# KiCad board MTMatrixV3.kicad_pcb
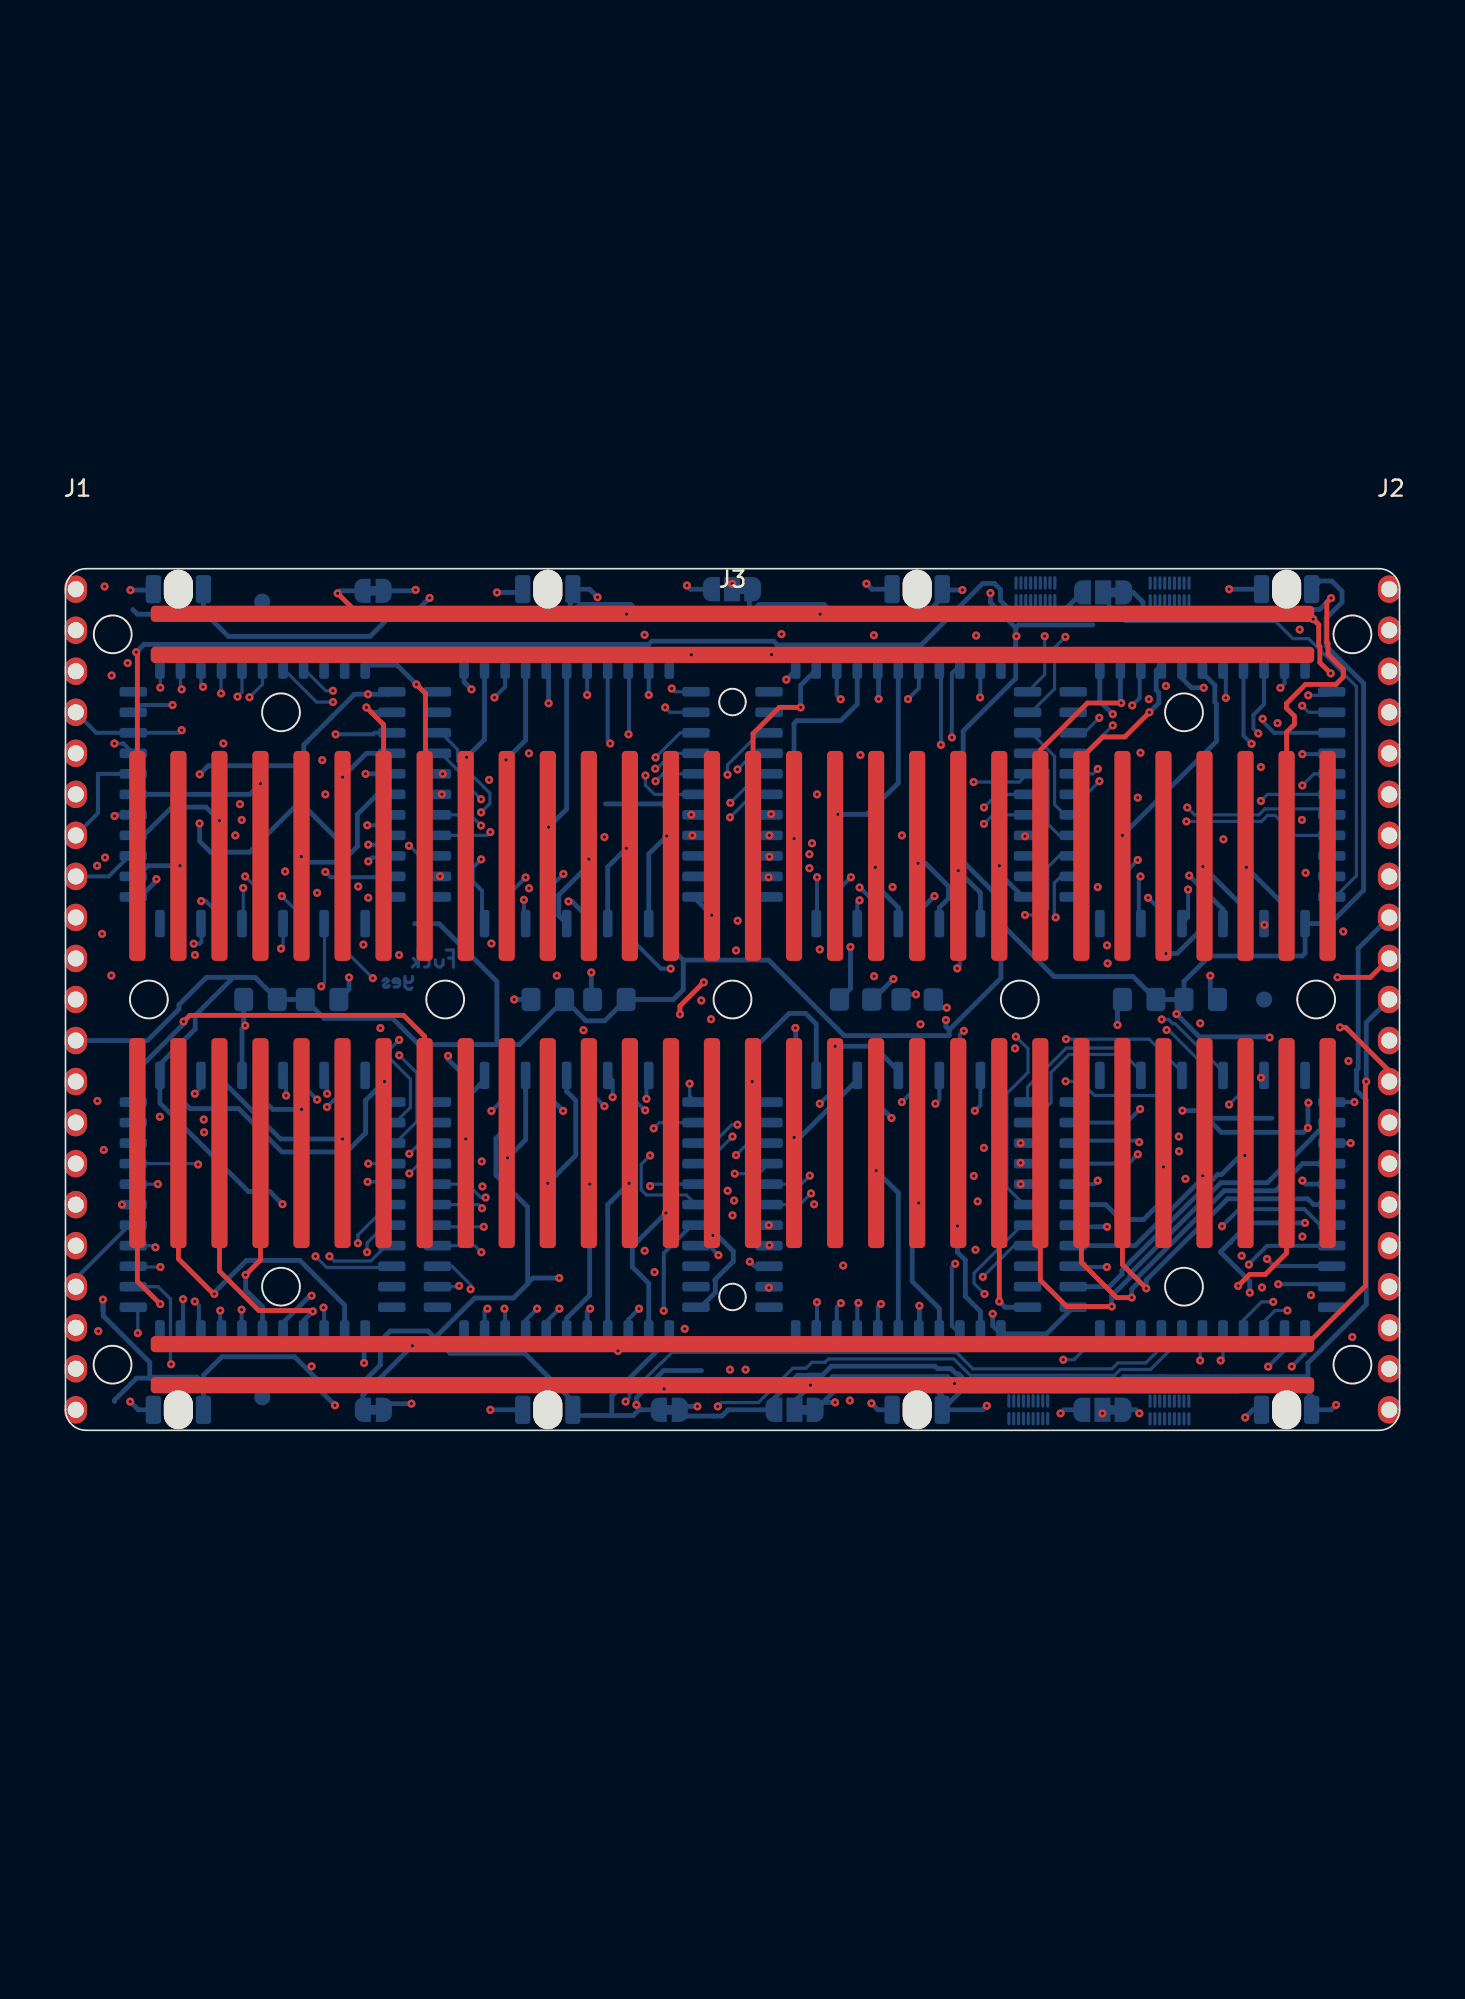
[diagram p0: board, top side]
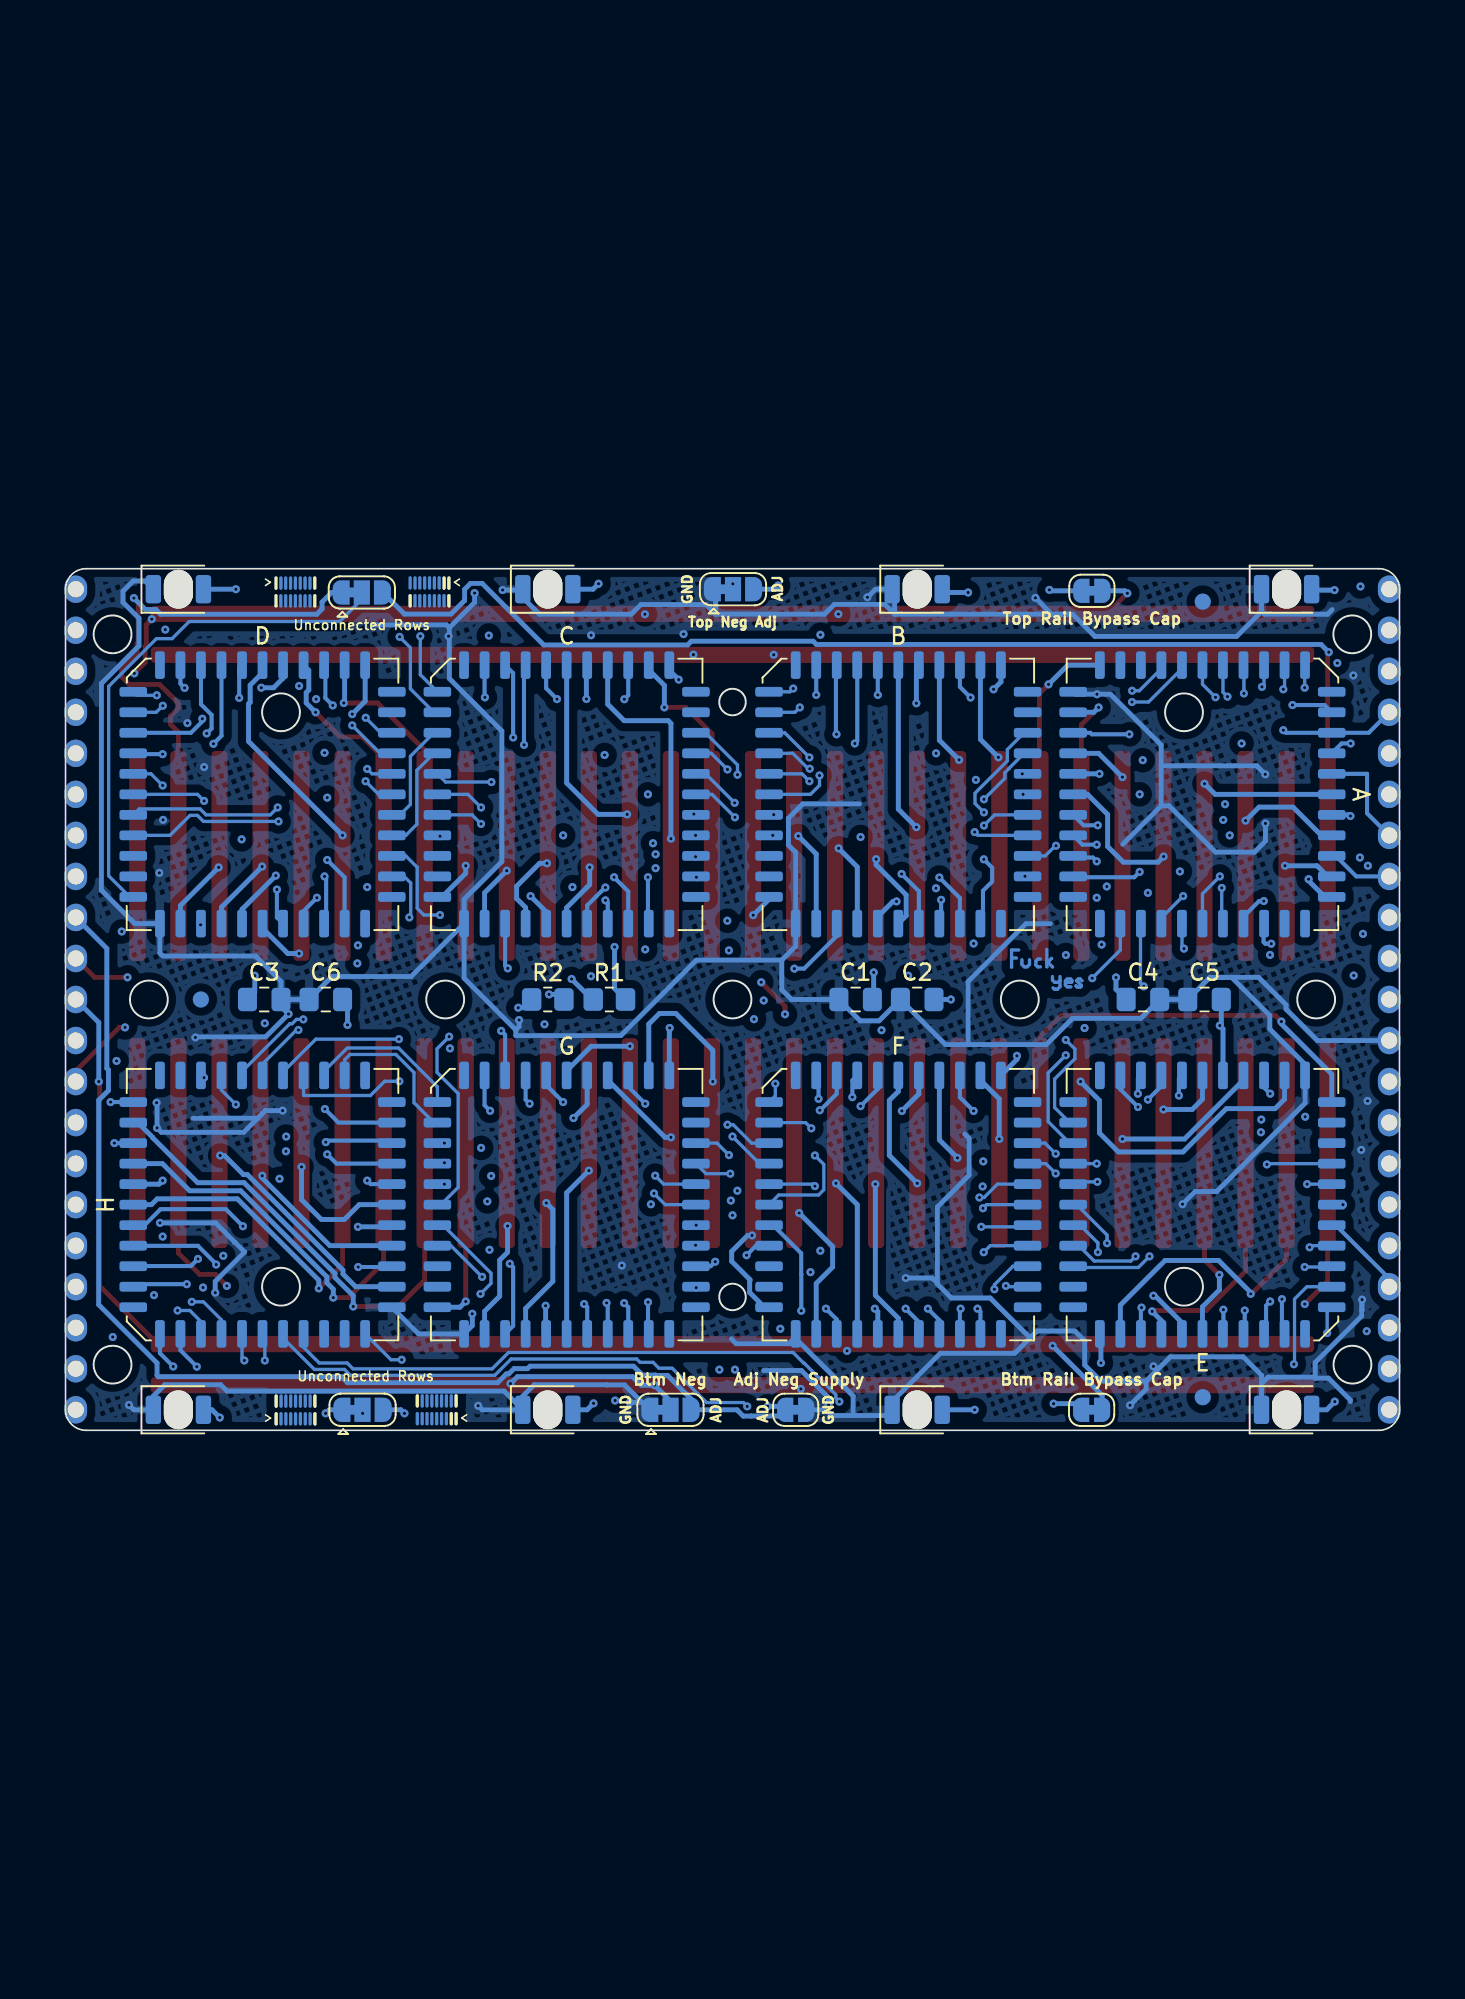
[diagram p1: board, bottom side, seen from below]

Outline 82.55 x 53.34 mm; copper layers: Top (plane), In1.Cu, In2.Cu, Bottom. Coordinates in mm from the lower left corner of the outline.
Outline path: 0,52.07 0,1.27 arc(0.37,0.37) 1.27,0 81.28,0 arc(82.18,0.37) 82.55,1.27 82.55,52.07 arc(82.18,52.97) 81.28,53.34 1.27,53.34 arc(0.37,52.97) 0,52.07
Stack: Top 0.035mm / dielectric 1.51mm FR4 er 4.5 / In1.Cu 0.035mm / dielectric 1.51mm FR4 er 4.5 / In2.Cu 0.035mm / dielectric 1.51mm FR4 er 4.5 / Bottom 0.035mm

## Placement (name value [footprint] x y rotation side)
A  MT8816AP  [PLCC-44_16.6x16.6mm_P1.27mm]  12.19 39.37 270 bottom
B  MT8816AP  [PLCC-44_16.6x16.6mm_P1.27mm]  31.01 39.37 180 bottom
C  MT8816AP  [PLCC-44_16.6x16.6mm_P1.27mm]  51.54 39.37 180 bottom
C1  10uF  [C_0805_2012Metric_Pad1.18x1.45mm_HandSolder]  33.65 26.67 180 bottom
C2  10uF  [C_0805_2012Metric_Pad1.18x1.45mm_HandSolder]  29.84 26.67 180 bottom
C3  10uF  [C_0805_2012Metric_Pad1.18x1.45mm_HandSolder]  70.25 26.67 180 bottom
C4  10uF  [C_0805_2012Metric_Pad1.18x1.45mm_HandSolder]  15.87 26.67 180 bottom
C5  10uF  [C_0805_2012Metric_Pad1.18x1.45mm_HandSolder]  12.06 26.67 180 bottom
C6  10uF  [C_0805_2012Metric_Pad1.18x1.45mm_HandSolder]  66.44 26.67 180 bottom
D  MT8816AP  [PLCC-44_16.6x16.6mm_P1.27mm]  70.36 39.37 180 bottom
D1  LED_Small_ALT  [LED_1206_3216Metric_ReverseMount_Hole1.8x2.4mm]  75.56 52.07 180 bottom
D2  LED_Small_ALT  [LED_1206_3216Metric_ReverseMount_Hole1.8x2.4mm]  52.7 52.07 180 bottom
D3  LED_Small_ALT  [LED_1206_3216Metric_ReverseMount_Hole1.8x2.4mm]  29.84 52.07 180 bottom
D4  LED_Small_ALT  [LED_1206_3216Metric_ReverseMount_Hole1.8x2.4mm]  6.98 52.07 180 bottom
D5  LED_Small_ALT  [LED_1206_3216Metric_ReverseMount_Hole1.8x2.4mm]  75.56 1.27 180 bottom
D6  LED_Small_ALT  [LED_1206_3216Metric_ReverseMount_Hole1.8x2.4mm]  52.7 1.27 180 bottom
D7  LED_Small_ALT  [LED_1206_3216Metric_ReverseMount_Hole1.8x2.4mm]  29.84 1.27 180 bottom
D8  LED_Small_ALT  [LED_1206_3216Metric_ReverseMount_Hole1.8x2.4mm]  6.98 1.27 180 bottom
E  MT8816AP  [PLCC-44_16.6x16.6mm_P1.27mm]  12.19 13.97 0 bottom
F  MT8816AP  [PLCC-44_16.6x16.6mm_P1.27mm]  31.01 13.97 180 bottom
G  MT8816AP  [PLCC-44_16.6x16.6mm_P1.27mm]  51.54 13.97 180 bottom
H  MT8816AP  [PLCC-44_16.6x16.6mm_P1.27mm]  70.36 13.97 90 bottom
J1  Address_Control_Power  [PinHeadet_1x21Compact]  0.74 26.56 0 top
J2  Chip_Select_Measurement  [PinHeadet_1x21Compact]  82.02 26.56 0 top
J3  Breadboard  [BreadBoard]  41.27 26.67 0 top
JP1  SolderJumper_2_Bridged  [SolderJumper-2_P1.3mm_Bridged_RoundedPad1.0x1.5mm]  19.04 51.97 180 bottom
JP2  SolderJumper_2_Bridged  [SolderJumper-2_P1.3mm_Bridged_RoundedPad1.0x1.5mm]  19.05 1.27 180 bottom
JP3  SolderJumper_2_Bridged  [SolderJumper-2_P1.3mm_Bridged_RoundedPad1.0x1.5mm]  37.36 1.27 180 bottom
JP4  SolderJumper_3_Bridged12  [SolderJumper-3_P1.3mm_Bridged12_RoundedPad1.0x1.5mm]  41.24 52.07 180 bottom
JP5  SolderJumper_3_Bridged12  [SolderJumper-3_P1.3mm_Bridged12_RoundedPad1.0x1.5mm]  64.17 1.27 180 bottom
JP6  SolderJumper_3_Bridged12  [SolderJumper-3_P1.3mm_Bridged12_RoundedPad1.0x1.5mm]  45.11 1.27 180 bottom
JP7  SolderJumper_3_Bridged12  [SolderJumper-3_P1.3mm_Bridged12_RoundedPad1.0x1.5mm]  64.22 51.87 180 bottom
R1  220R  [R_0805_2012Metric_Pad1.20x1.40mm_HandSolder]  48.89 26.67 180 bottom
R2  220R  [R_0805_2012Metric_Pad1.20x1.40mm_HandSolder]  52.7 26.67 180 bottom
REF**  -  [Fiducial_1mm_Mask2mm]  74.17 26.67 180 bottom
REF**#2  -  [Fiducial_1mm_Mask2mm]  12.17 2.05 180 bottom
REF**#3  -  [Fiducial_1mm_Mask2mm]  12.17 51.3 180 bottom

## Footprints (pads in the part's own frame, mm; a bottom-side part is the same pattern mirrored in y, then rotated)
BreadBoard
  rrect 72x1 smd: 0(0,21.336) 31(0,23.876) 32(0,-23.876) 63(0,-21.336)
  rrect 1x13 smd: 1(-36.83,8.89) 2(-34.29,8.89) 3(-31.75,8.89) 4(-29.21,8.89) 5(-26.67,8.89) 6(-24.13,8.89) 7(-21.59,8.89) 8(-19.05,8.89) 9(-16.51,8.89) 10(-13.97,8.89) 11(-11.43,8.89) 12(-8.89,8.89) 13(-6.35,8.89) 14(-3.81,8.89) 15(-1.27,8.89) 16(1.27,8.89) 17(3.81,8.89) 18(6.35,8.89) 19(8.89,8.89) 20(11.43,8.89) 21(13.97,8.89) 22(16.51,8.89) 23(19.05,8.89) 24(21.59,8.89) 25(24.13,8.89) 26(26.67,8.89) 27(29.21,8.89) 28(31.75,8.89) 29(34.29,8.89) 30(36.83,8.89) 33(-36.83,-8.89) 34(-34.29,-8.89) 35(-31.75,-8.89) 36(-29.21,-8.89) 37(-26.67,-8.89) 38(-24.13,-8.89) 39(-21.59,-8.89) 40(-19.05,-8.89) 41(-16.51,-8.89) 42(-13.97,-8.89) 43(-11.43,-8.89) 44(-8.89,-8.89) 45(-6.35,-8.89) 46(-3.81,-8.89) 47(-1.27,-8.89) 48(1.27,-8.89) 49(3.81,-8.89) 50(6.35,-8.89) 51(8.89,-8.89) 52(11.43,-8.89) 53(13.97,-8.89) 54(16.51,-8.89) 55(19.05,-8.89) 56(21.59,-8.89) 57(24.13,-8.89) 58(26.67,-8.89) 59(29.21,-8.89) 60(31.75,-8.89) 61(34.29,-8.89) 62(36.83,-8.89)
C_0805_2012Metric_Pad1.18x1.45mm_HandSolder
  rrect 1.175x1.45 smd: 1(-1.038,0) 2(1.038,0)
Fiducial_1mm_Mask2mm
  round 1 smd: (0,0)
LED_1206_3216Metric_ReverseMount_Hole1.8x2.4mm
  oval 1.8x2.4 hole 1.8x2.4 unplated: (0,0)
  rrect 0.95x1.75 smd: 1(-1.55,0) 2(1.55,0)
PinHeadet_1x21Compact
  rrect 1.4x1.7 hole 1: 1(-0.105,25.505) 2(-0.105,22.965) 3(-0.105,20.425) 4(-0.105,17.885) 5(-0.105,15.345) 6(-0.105,12.805) 7(-0.105,10.265) 8(-0.105,7.725) 9(-0.105,5.185) 10(-0.105,2.645) 11(-0.105,0.105) 12(-0.105,-2.435) 13(-0.105,-4.975) 14(-0.105,-7.515) 15(-0.105,-10.055) 16(-0.105,-12.595) 17(-0.105,-15.135) 18(-0.105,-17.675) 19(-0.105,-20.215) 20(-0.105,-22.755) 21(-0.105,-25.295)
PLCC-44_16.6x16.6mm_P1.27mm
  rrect 0.6x1.7 smd: 1(0,8) 2(-1.27,8) 3(-2.54,8) 4(-3.81,8) 5(-5.08,8) 6(-6.35,8) 18(-6.35,-8) 19(-5.08,-8) 20(-3.81,-8) 21(-2.54,-8) 22(-1.27,-8) 23(0,-8) 24(1.27,-8) 25(2.54,-8) 26(3.81,-8) 27(5.08,-8) 28(6.35,-8) 40(6.35,8) 41(5.08,8) 42(3.81,8) 43(2.54,8) 44(1.27,8)
  rrect 1.7x0.6 smd: 7(-8,6.35) 8(-8,5.08) 9(-8,3.81) 10(-8,2.54) 11(-8,1.27) 12(-8,0) 13(-8,-1.27) 14(-8,-2.54) 15(-8,-3.81) 16(-8,-5.08) 17(-8,-6.35) 29(8,-6.35) 30(8,-5.08) 31(8,-3.81) 32(8,-2.54) 33(8,-1.27) 34(8,0) 35(8,1.27) 36(8,2.54) 37(8,3.81) 38(8,5.08) 39(8,6.35)
R_0805_2012Metric_Pad1.20x1.40mm_HandSolder
  rrect 1.2x1.4 smd: 1(-1,0) 2(1,0)
SolderJumper-2_P1.3mm_Bridged_RoundedPad1.0x1.5mm
  custom 1x1.5 smd: 1(-0.65,0) 2(0.65,0)
SolderJumper-3_P1.3mm_Bridged12_RoundedPad1.0x1.5mm
  custom 1.05x1.5 smd: 1(-1.3,0) 3(1.3,0)
  rect 1x1.5 smd: 2(0,0)

## Nets
+9V: A.44 B.44 C.44 C3.1 C4.1 D.44 E.44 F.44 G.44 H.44 J1.11
-9V: A.22 B.22 C.22 C5.2 C6.2 D.22 E.22 F.22 G.22 H.22 J1.13
GND: A.18 B.18 C.18 C1.1 C2.1 C3.2 C4.2 C5.1 C6.1 D.18 D1.1 D2.1 D3.1 D4.1 D5.1 D6.1 D7.1 D8.1 E.18 F.18 G.18 H.18 J1.12 JP3.2 JP4.1 JP6.1
GND2: J2.9 JP3.1 JP4.3 JP6.3
1: J3.1 JP7.3
2: A.41 J3.2
3: A.43 J3.3
4: A.1 J3.4
5: A.23 J3.5
6: A.21 J3.6
7: A.19 J3.7
8: A.17 J3.8
9: B.41 J3.9
10: B.43 J3.10
11: B.1 J3.11
12: B.23 J3.12
13: B.21 J3.13
14: B.19 J3.14
15: B.17 J3.15
16: C.41 J3.16
17: C.43 J3.17
18: C.1 J3.18
19: C.23 J3.19
20: C.21 J3.20
21: C.19 J3.21
22: C.17 J3.22
23: D.41 J3.23
24: D.43 J3.24
25: D.1 J3.25
26: D.23 J3.26
27: D.21 J3.27
28: D.19 J3.28
29: J3.29 JP7.1
29_jumper: D.17 JP7.2
33: J3.33 JP5.3
34: E.41 J3.34
35: E.43 J3.35
36: E.1 J3.36
37: E.23 J3.37
38: E.21 J3.38
39: E.19 J3.39
40: E.17 J3.40
41: F.41 J3.41
42: F.43 J3.42
43: F.1 J3.43
44: F.23 J3.44
45: F.21 J3.45
46: F.19 J3.46
47: F.17 J3.47
48: G.41 J3.48
49: G.43 J3.49
50: G.1 J3.50
51: G.23 J3.51
52: G.21 J3.52
53: G.19 J3.53
54: G.17 J3.54
55: H.41 J3.55
56: H.43 J3.56
57: H.1 J3.57
58: H.23 J3.58
59: H.21 J3.59
60: H.19 J3.60
61: J3.61 JP5.1
61_jumper: H.17 JP5.2
/AB0: A.35 B.37
/AB1: A.34 B.36
/AC0: A.33 C.37
/AC1: A.32 C.36
/AD0: A.9 D.37
/AD1: A.10 D.36
/AE0: A.11 E.37
/AE1: A.12 E.36
/AF0: A.13 F.37
/AF1: A.14 F.36
/AG0: A.31 G.37
/AG1: A.30 G.36
/AH0: A.7 H.37
/AH1: A.8 H.36
/BC0: B.33 C.35
/BC1: B.32 C.34
/BD0: B.9 D.35
/BD1: B.10 D.34
/BE0: B.11 E.35
/BE1: B.12 E.34
/BF0: B.13 F.35
/BF1: B.14 F.34
/BG0: B.31 G.35
/BG1: B.30 G.34
/BH0: B.7 H.35
/BH1: B.8 H.34
/CD0: C.9 D.33
/CD1: C.10 D.32
/CE0: C.11 E.33
/CE1: C.12 E.32
/CF0: C.13 F.33
/CF1: C.14 F.32
/CG0: C.31 G.33
/CG1: C.30 G.32
/CH0: C.7 H.33
/CH1: C.8 H.32
/DE0: D.11 E.9
/DE1: D.12 E.10
/DF0: D.13 F.9
/DF1: D.14 F.10
/DG0: D.31 G.9
/DG1: D.30 G.10
/DH0: D.7 H.9
/DH1: D.8 H.10
/EF0: E.13 F.11
/EF1: E.14 F.12
/EG0: E.31 G.11
/EG1: E.30 G.12
/EH0: E.7 H.11
/EH1: E.8 H.12
/FG0: F.31 G.13
/FG1: F.30 G.14
/FH0: F.7 H.13
/FH1: F.8 H.14
/GH0: G.7 H.31
/GH1: G.8 H.30
AI: A.37 J1.14
AJ: A.36 J2.14
AX0: A.5 B.5 C.5 D.5 E.5 F.5 G.5 H.5 J1.1
AX1: A.24 B.24 C.24 D.24 E.24 F.24 G.24 H.24 J1.2
AX2: A.25 B.25 C.25 D.25 E.25 F.25 G.25 H.25 J1.3
AX3: A.4 B.4 C.4 D.4 E.4 F.4 G.4 H.4 J1.4
AY0: A.26 B.26 C.26 D.26 E.26 F.26 G.26 H.26 J1.5
AY1: A.27 B.27 C.27 D.27 E.27 F.27 G.27 H.27 J1.6
AY2: A.2 B.2 C.2 D.2 E.2 F.2 G.2 H.2 J1.7
BI: B.35 J1.15
BJ: B.34 J2.15
Bottom_LEDs: J2.12 R2.1
CI: C.33 J1.16
CJ: C.32 J2.16
CS_A: A.40 J2.1
CS_B: B.40 J2.2
CS_C: C.40 J2.3
CS_D: D.40 J2.4
CS_E: E.40 J2.5
CS_F: F.40 J2.6
CS_G: G.40 J2.7
CS_H: H.40 J2.8
DATA: A.42 B.42 C.42 D.42 E.42 F.42 G.42 H.42 J1.8
DI: D.9 J1.17
DJ: D.10 J2.17
EI: E.11 J1.18
EJ: E.12 J2.18
FI: F.13 J1.19
FJ: F.14 J2.19
GI: G.31 J1.20
GJ: G.30 J2.20
HI: H.7 J1.21
HJ: H.8 J2.21
Neg_Bottom: J3.32 JP6.2
Neg_Top: J3.0 JP4.2
Pos_Bottom: J2.11 J3.63 JP2.2
Pos_Top: J2.10 J3.31 JP1.2
RESET: A.3 B.3 C.3 D.3 E.3 F.3 G.3 H.3 J1.9
STROBE: A.20 B.20 C.20 D.20 E.20 F.20 G.20 H.20 J1.10
Top_LEDs: J2.13 R1.1
Unconnected_A: A.39
Unconnected_B: B.39
Unconnected_C: C.39
Unconnected_D: D.39
Unconnected_E: E.39
Unconnected_F: F.39
Unconnected_G: G.39
Unconnected_H: H.39
Net-(C1-Pad2): C1.2 JP1.1
Net-(C2-Pad2): C2.2 JP2.1
Net-(D1-Pad2): D1.2 D2.2 D3.2 D4.2 R1.2
Net-(D5-Pad2): D5.2 D6.2 D7.2 D8.2 R2.2

Pads without a net: A 6 15 16 28 29 38; B 6 15 16 28 29 38; C 6 15 16 28 29 38; D 6 15 16 28 29 38; E 6 15 16 28 29 38; F 6 15 16 28 29 38; G 6 15 16 28 29 38; H 6 15 16 28 29 38; J3 30 62

## Via types
v1: diameter 0.5, hole 0.2, Top to Bottom, 442 vias

## Routing (per net, layer and track width the routed paths; a pad name or vN(x,y) marks a point on that pad's centre or on a via; arc(x,y) is an arc through that point)
+9V: length 219.9
  In1.Cu w0.3: J1.11 2.12,28.15 v1(2.83,28.15) 3.32,28.64 16.94,28.64 v1(17.54,28.03) 18.13,28.62 19.3,28.62 19.5,28.82 20.89,28.82 20.9,28.84 24.61,28.84 25.7,27.75 37.46,27.75 38.26,28.54 50.02,28.54 ; v1(69.31,15.57) 69.83,15.05 76.13,15.05 v1(76.54,15.46) ; 50.02,28.54 53.93,28.54 54.47,28 55.72,28 57.48,29.76 61.9,29.76 63.52,28.14 v1(70.84,28.14) ; 50.02,28.54 50.02,28.12 v1(50.03,28.11)
  In2.Cu w0.3: v1(15.23,8.33) 17.05,10.15 17.05,16.93 17.34,17.23 17.39,17.23 17.74,17.58 17.74,27.83 v1(17.54,28.03) ; v1(29.9,45.01) 30.5,44.41 30.5,37.04 30.09,36.64 30.09,33.85 30.4,33.54 v1(30.4,28.14) 30.4,20.16 v1(30.79,19.77) ; v1(51.11,19.33) 50.03,20.41 v1(50.03,28.11) 50.03,28.62 50.52,29.11 50.52,34.41 50.71,34.6 50.71,44.88 v1(50.32,45.27) ; v1(70.43,45.97) 71.23,45.18 71.23,43.06 70.98,42.81 70.98,28.29 v1(70.84,28.14) 70.98,28 70.98,26.16 70.86,26.04 70.86,25.89 70.82,25.85 70.82,24.78 70.51,24.47 70.51,19.21 70.19,18.89 70.19,16.46 v1(69.31,15.57) ; v1(2.83,28.15) 3.58,28.9 3.58,37.48 v1(3.03,38.03)
  Bottom w0.3: G.44 50.27,20.18 v1(51.11,19.33) ; v1(70.84,28.14) 70.84,27.12 71.29,26.67 ; A.44 3.11,38.1 v1(3.03,38.03) ; B.44 29.9,47.22 v1(29.9,45.01) ; H.44 76.76,15.24 v1(76.54,15.46) ; v1(30.79,19.77) 29.74,20.82 F.44 ; v1(15.23,8.33) 15.13,8.33 13.46,6.66 E.44 ; v1(70.43,45.97) 69.68,45.97 69.09,46.56 D.44 ; C4.1 17.54,27.3 v1(17.54,28.03) ; C.44 50.32,47.32 v1(50.32,45.27)
-9V: length 185.9
  In1.Cu w0.3: J1.13 4.44,21.59 7.91,25.05 v1(11.12,25.05) 11.16,25.1 31.73,25.1 v1(32.05,24.77) 44.11,24.77 45.11,25.77 52.27,25.77 v1(52.91,25.14) 53.24,24.8 54.73,24.8 55.29,25.35 55.83,25.35 56.22,24.97 64.98,24.97 v1(65.1,25.1) 66.33,26.33 68.46,26.33 68.5,26.37 69,26.37 69.01,26.37 69.02,26.36 69.02,26.36 69.03,26.36 69.06,26.33 69.09,26.33 v1(70.22,25.2)
  In2.Cu w0.3: v1(31.13,32.74) 31.13,25.7 v1(32.05,24.77) 32.39,24.44 32.39,16.14 33.04,15.49 33.04,8.1 v1(32.47,7.53) ; v1(52.84,7.71) 53.4,8.27 53.4,19.81 53.23,19.97 53.23,24.81 v1(52.91,25.14) 53.23,25.45 53.23,32.53 v1(53.77,33.07) ; v1(64.46,12.6) 65.1,13.24 v1(65.1,25.1) ; v1(70.22,25.2) 70.23,25.21 70.23,33.65 v1(69.54,34.34) ; v1(19.49,24.9) 19.66,25.07 19.66,27.35 19.68,27.37 19.68,39.53 v1(18.57,40.64)
  Bottom w0.3: B.22 32.28,31.8 31.34,32.74 v1(31.13,32.74) ; v1(52.84,7.71) 52.84,6 G.22 ; F.22 32.28,7.35 v1(32.47,7.53) ; C5.2 11.03,25.15 v1(11.12,25.05) 10.92,24.86 E.22 ; D.22 71.63,32.25 v1(69.54,34.34) ; v1(64.46,12.6) 62.46,12.6 H.22 ; C6.2 65.1,26.37 v1(65.1,25.1) ; v1(18.57,40.64) A.22 ; C.22 52.81,32.11 v1(53.77,33.07)
GND: length 696.2
  In1.Cu w0.3: v1(73.97,41.06) 75.01,42.09 v1(75.01,43.78) 75.01,39.3 v1(76.51,37.79) ; v1(68.75,25.77) 68.75,25.62 70.33,24.04 ; v1(47.62,1.73) 46.1,1.73 45.75,2.08 38.68,2.08 38.18,1.57 v1(35.33,1.57) 35.33,2.26 34.92,2.67 31.07,2.67 30.92,2.82 29.33,2.82 29,2.49 17.61,2.49 v1(16.67,1.55) 15.23,3 v1(15.23,3.96) ; v1(1.97,20.39) 1.97,17.73 2.34,17.36 v1(2.36,17.36) ; v1(18.72,45.57) 18.53,45.57 17.19,46.91 14.59,46.91 14.51,46.99 4.79,46.99 4.54,46.73 v1(2.86,46.73) ; v1(44.3,49.29) 44.37,49.22 v1(50.02,49.22) ; J1.12 4.95,24.13 4.95,24.14 7.24,26.43
  In2.Cu w0.3: 9.4,6.1 11.56,3.94 15.2,3.94 v1(15.23,3.96) ; 9.4,6.1 8.61,6.9 8.61,10.35 ; 9.4,6.1 8.45,6.1 5.62,8.92 ; v1(48.12,10.2) 47.31,9.39 47.31,7.33 47.62,7.02 v1(47.62,1.73) ; 20.62,9.53 15.23,4.13 v1(15.23,3.96) ; v1(78.62,1.57) 78.62,2.62 73.29,7.96 v1(73.29,8.52) ; v1(1.97,20.39) 1.97,22.91 0.75,24.13 J1.12 ; v1(57.02,1.52) 57.93,2.43 57.93,6.66 v1(57.38,7.21) 56.67,7.21 54.46,9.42 54.46,25.37 v1(54.48,25.4) ; v1(76.74,34.51) 76.51,34.74 v1(76.51,37.79) ; v1(22.53,51.53) 22.24,51.53 18.72,48.01 v1(18.72,45.57) ; 76.89,16.16 v1(76.89,18.72) 76.51,19.09 76.51,22.32 v1(74.51,24.32) ; v1(76.7,12.84) 77.17,13.31 77.17,15.86 76.89,16.15 ; v1(69.11,19.79) 68.79,20.12 68.79,25.74 v1(68.75,25.77) ; v1(15.23,3.96) 11.74,7.44 11.74,11.87 12.52,12.65 ; v1(75.01,43.78) 75.01,45.08 74.26,45.83 74.26,49.64 74.02,49.87 59.55,49.87 v1(58.84,49.16) 58.01,50 50.8,50 v1(50.02,49.22) ; v1(2.31,8.09) 2.36,8.14 v1(2.36,17.36) ; v1(55.5,52.02) 55.69,51.83 v1(57.23,51.83) ; v1(35.33,1.57) 35.33,1.53
  Bottom w0.3: 14.74,38.66 17.12,36.28 ; 14.74,38.66 14.26,38.66 11.39,35.79 8.98,35.79 8.3,36.47 v1(8.3,37.57) ; 14.74,38.66 14.74,41.14 ; C.18 57.89,32.87 55.55,35.2 55.55,43.29 58.8,46.54 58.8,49.68 ; C.18 61.16,28.09 66.06,28.09 C6.1 C3.2 ; C.18 57.89,27.99 54.69,24.79 ; A.18 20.04,45.57 v1(18.72,45.57) 17.88,45.57 14.74,42.43 14.74,41.14 ; v1(47.62,1.73) 46.87,1.73 JP6.1 47.96,2.81 49.05,2.81 49.06,2.82 53.55,2.82 54.26,2.11 D6.1 ; v1(8.3,40.61) 8.83,41.14 14.74,41.14 ; 22.89,5.69 22.43,6.15 20.09,6.15 19.48,5.54 19.48,4.05 18.48,3.05 15.67,3.05 ; 22.89,5.69 22.89,5.75 25.33,8.19 27.73,8.19 28.61,9.08 28.59,9.1 ; 22.89,5.69 23.81,4.77 28.42,4.77 31.39,1.79 D7.1 31.75,0.91 33.81,0.91 ; v1(16.67,1.55) 15.67,2.55 15.67,3.05 ; 54.69,24.79 54.48,24.99 v1(54.48,25.4) ; 54.69,24.79 54.69,24.43 48.18,24.43 43.51,29.11 38.23,29.11 ; 35.64,1.27 35.48,1.27 35.13,0.91 33.81,0.91 ; 35.64,1.27 v1(35.33,1.57) 35.33,2.02 37.02,3.7 39.36,3.7 ; 35.64,1.27 JP3.2 ; 21.61,31.36 23.12,31.36 26.7,27.78 26.7,23.88 ; v1(57.02,1.52) 56.77,1.27 D6.1 ; 26.7,23.88 21.86,23.88 20.23,25.5 16.01,25.5 C4.2 C5.1 11.73,28.04 ; 26.7,23.88 28.09,23.88 C2.1 32.2,25.35 33.37,25.35 C1.1 37.62,26.67 38.23,27.28 38.23,29.11 ; 70.38,19.59 70.2,19.78 70.2,19.79 v1(69.11,19.79) ; 70.38,19.59 71.52,18.45 76.61,18.45 v1(76.89,18.72) 76.89,20.25 v1(76.92,20.28) ; 70.38,19.59 70.65,19.32 74.65,19.32 ; 20.22,50.52 31.24,50.52 ; 20.22,50.52 18.85,49.15 10.08,49.15 8.54,50.69 D4.1 8.54,50.7 8.36,50.52 4.45,50.52 4.16,50.81 ; 20.22,50.52 21.52,50.52 v1(22.53,51.53) ; 31.24,50.52 31.85,51.13 34.97,51.13 35.58,50.52 42.32,50.52 ; 31.24,50.52 31.24,51.92 D3.1 32.42,52.07 v1(32.92,51.57) ; 2.33,7.41 2.33,7.08 5.21,4.2 5.21,3.23 ; 2.33,7.41 2.31,7.43 v1(2.31,8.09) ; 2.33,7.41 2.33,8.08 ; J1.12 5.08,24.13 7.02,26.07 7.02,26.34 8.72,28.04 11.73,28.04 ; D6.1 55.41,2.43 72.56,2.43 72.95,2.82 76.41,2.82 77.11,2.11 D5.1 78.33,1.27 v1(78.62,1.57) ; 38.23,29.11 37.36,29.97 B.18 37.36,35.78 37.81,36.23 37.81,37.89 36.92,38.78 33.42,38.78 ; 3.03,1.78 3.03,1.87 4.39,3.23 5.21,3.23 ; C3.2 69.21,27.79 70.79,29.36 76.53,29.36 76.71,29.54 D.18 78.27,31.37 80.33,33.44 80.33,46.24 78,48.56 78,50.27 78.99,51.26 78.99,51.94 78.36,52.58 77.62,52.58 D1.1 ; C3.2 69.21,26.23 v1(68.75,25.77) 70.16,24.36 74.47,24.36 v1(74.51,24.32) ; 26.89,18.34 26.64,18.08 26.64,15.79 28.59,13.83 28.59,9.1 ; 28.59,9.1 28.92,9.43 v1(30.55,9.43) ; 11.73,28.04 10.39,28.04 8.02,25.68 8.02,24.84 5.84,22.66 E.18 5.84,20.25 11.31,14.78 12.64,14.78 v1(13.42,14) ; JP4.1 42.32,51.84 42.32,50.52 ; 33.81,0.91 33.81,2.13 37.36,5.68 F.18 37.36,5.78 37.79,5.36 41.05,5.36 41.34,5.66 ; v1(57.38,7.21) 57.38,6.48 G.18 60.71,5.97 H.18 ; 72.05,11.63 72.11,11.63 ; 72.05,11.63 73.27,12.84 v1(76.7,12.84) ; 72.05,11.63 71.46,11.04 73.29,9.22 v1(73.29,8.52) ; 58.8,49.68 58.98,49.86 63.58,49.86 ; 58.8,49.68 57.23,51.25 v1(57.23,51.83) ; 5.21,3.23 5.27,3.29 8.14,3.29 8.54,2.89 D8.1 8.54,3.41 9.67,4.55 14.17,4.55 15.67,3.05 ; 42.32,50.52 42.92,51.12 46.94,51.12 47.54,50.52 53.22,50.52 54.26,51.55 D2.1 54.31,52.02 v1(55.5,52.02)
GND2: length 128.7
  Top w0.3: v1(39.5,27.74) 38.02,26.26 v1(38.02,25.76)
  In2.Cu w0.3: v1(38.02,25.76) 38.02,14.63 39.04,13.61 39.04,10.34 37.72,9.02 37.72,2.87 v1(39.11,1.48) ; v1(38.45,52.3) 38.13,51.97 38.13,47.76 39.39,46.5 39.39,27.85 v1(39.5,27.74)
  Bottom w0.3: v1(38.45,52.3) 38.68,52.07 JP4.3 ; J2.9 79.99,29.83 79.99,22.41 79.89,22.31 79.89,21.04 80.5,20.43 80.5,7.78 76.89,4.17 76.89,3.4 76.8,3.32 67.86,3.32 ; 67.86,3.32 67.84,3.3 ; 67.86,3.32 65.47,3.32 65.1,2.95 55.81,2.95 55.26,3.49 55.12,3.49 54.79,3.82 53.95,3.82 53.8,3.97 47.4,3.97 46.85,3.42 46.04,3.42 46.01,3.39 45.29,3.39 43.81,1.92 JP6.3 41,1.27 40.96,1.23 40.96,1.23 40.61,0.88 40.12,0.88 40.11,0.88 38.4,0.88 JP3.1 38.22,1.48 v1(39.11,1.48)
(no net): length 10.8
  Bottom w0.2: 22.89,29.13 22.89,28.84 23.05,28.69 23.21,28.69 23.36,28.84 23.36,29.13 ; 21.48,28.09 21.48,27.87 21.33,27.73 21.14,27.73 21.01,27.86 ; 24.01,29.23 24.01,29.73 23.56,29.73 ; 24.01,29.23 24.01,28.68 24.02,28.67 ; 24.01,29.23 23.7,29.23 ; 19.64,27.83 19.76,27.94 19.87,27.94 19.98,27.84 19.98,27.83 19.68,27.54 19.68,27.5 19.74,27.44 19.95,27.44 20.02,27.51 20.02,27.53 ; 21.01,27.86 21.01,27.47 21.17,27.31 21.36,27.31 21.43,27.39 ; 21.01,27.86 21.01,28.09 ; 20.55,27.73 20.31,27.73 20.27,27.77 20.27,27.86 20.36,27.94 20.55,27.94 20.67,27.82 20.67,27.57 20.55,27.45 20.33,27.45 ; 22.23,29.18 22.36,29.18 22.51,29.04 22.51,28.81 22.39,28.69 22.23,28.69 ; 21.7,29.05 21.54,29.21 21.52,29.21 ; 21.7,29.05 21.71,29.05 21.77,29 21.77,28.98 21.46,28.68 ; 21.7,29.05 21.83,28.92 ; 21.83,29.77 21.83,28.92 ; 21.83,28.92 21.83,29.07 ; 21.83,28.92 21.83,28.7 21.81,28.69
1: length 74.9
  Top w0.3: v1(4.37,48.17) 4.45,48.1 J3.1
  Bottom w0.3: v1(4.37,48.17) 4.86,48.65 36.08,48.65 36.28,48.85 43.82,48.85 44.05,48.62 52.96,48.62 56.77,52.43 57.48,52.43 57.85,52.06 57.85,51.37 58.7,50.53 61.58,50.53 JP7.3
2: length 3.8
  Top w0.3: J3.2 7.09,35.46 v1(7.09,34.95)
  Bottom w0.3: v1(7.09,34.95) 5.11,34.95 4.45,34.29 A.41
3: length 8.6
  Top w0.3: v1(9.52,37.74) J3.3
  Bottom w0.3: v1(9.52,37.74) 8.69,38.58 6.58,38.58 4.83,36.83 A.43
4: length 12.6
  Top w0.3: v1(12.06,40.03) J3.4
  Bottom w0.3: A.1 11.4,39.37 v1(12.06,40.03)
5: length 8.7
  Top w0.3: J3.5 14.61,35.53 v1(14.59,35.52)
  Bottom w0.3: A.23 19.3,39.37 18.06,38.12 18.06,36.14 17.08,35.17 14.95,35.17 v1(14.59,35.52)
6: length 8.5
  Top w0.3: v1(17.14,40.44) J3.6
  Bottom w0.3: A.21 18.62,41.91 v1(17.14,40.44)